# Altium PCB logic_board.PcbDoc (continued)
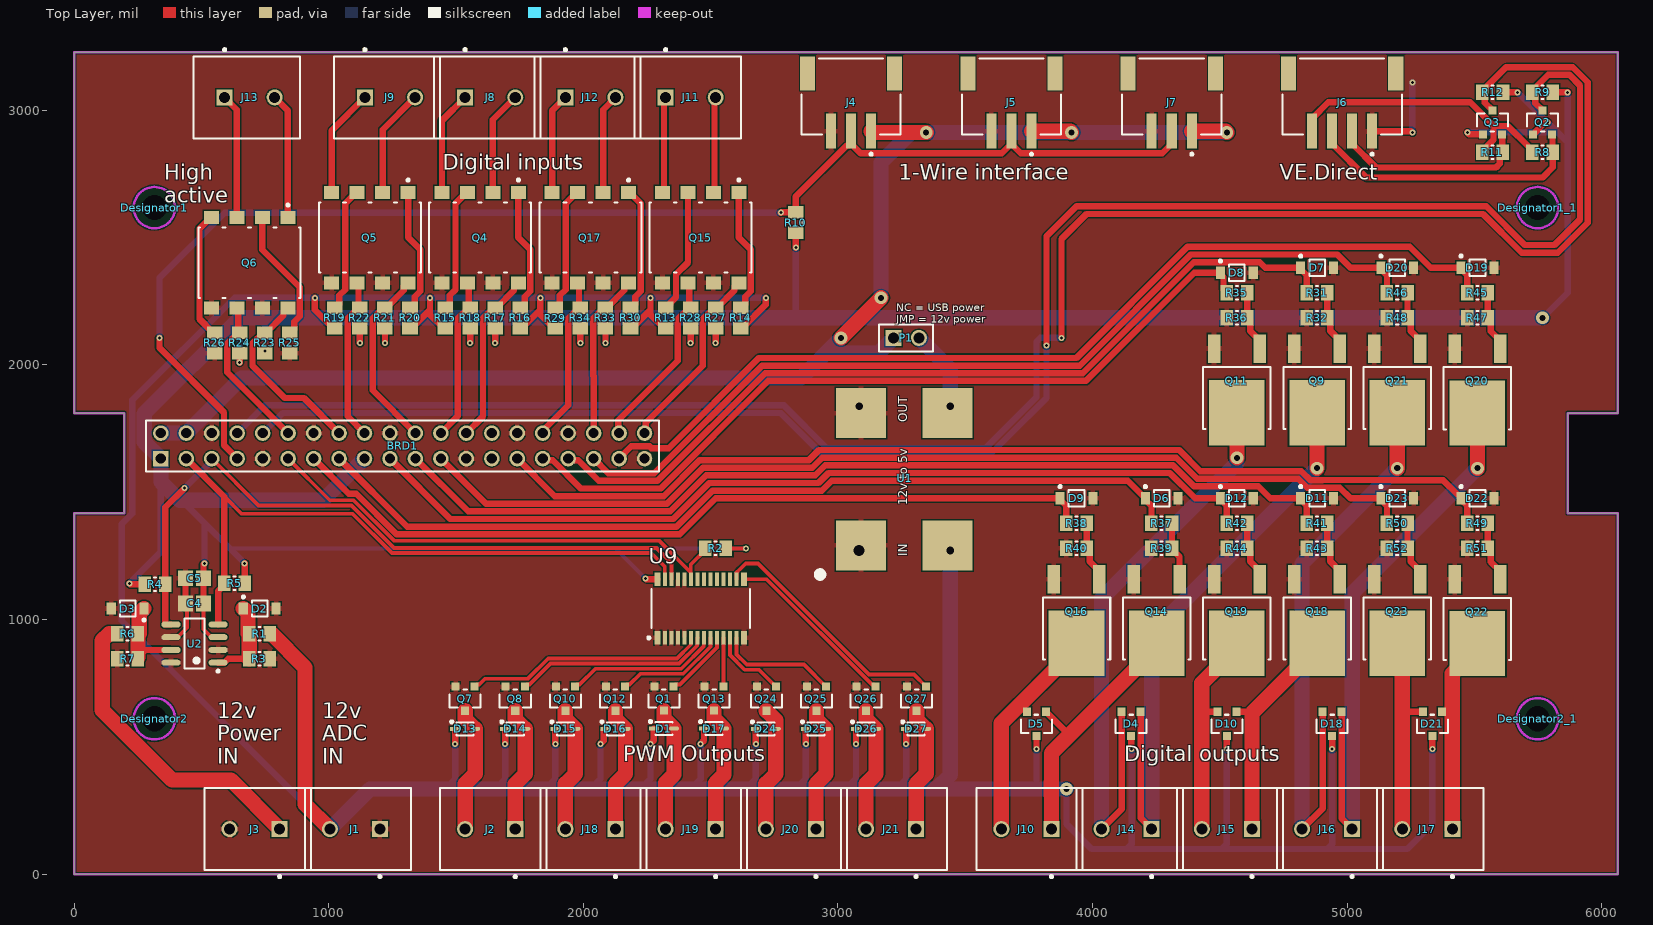
[diagram p0: Top Layer view]
## Part data (continued)
Q9 Q11 Q14 Q16 Q18 Q19 Q20 Q21 Q22 Q23: library part CMP-07173-000037-1, "MOSFET N-CH 150V 8A DPAK", Continuous Drain Current=8A, Drain To Source Breakdown Voltage=150V, Drain To Source Resistance=18.4mΩ, Gate To Source Voltage=20V, Input Capacitace At Vds="1585pF @ 75V", Manufacturer="ON Semiconductor", Max Forward Diode Voltage=1.3V, Max Junction Temp=+150°C, Package=369AS, Power Dissipation=3.1W, Pulse Drain Current=164A, Temperature="-55°C to +150°C", Temperature Range Low=-55°C, Typ Forward Diode Voltage=0.78V, Automotive=No, Category=Trans, ComponentLink2Description=Datasheet, ComponentLink2URL=https://www.onsemi.com/pub/Collateral/FDD86250-D.pdf, Depletion Mode=False, Device Class L1="Discrete Semiconductors", Device Class L2=Transistors, Device Class L3=MOSFETs, Digikey Description="MOSFET N-CH 150V 8A DPAK", Drain To Source Voltage=150V, Footprint Url=https://www.onsemi.com/pub/Collateral/369AS.PDF, Gate Charge At Vgs="23nC @ 10V", Height=2.517mm, Lead Free=Yes, Manufacturer Part Number=FDD86250, Mouser Description="Shielded Gate PowerTrench® MOSFET, N-Channel, 150 V, 51 A, 22 mO", Number of Channels=1, Number Of N Channels=1, Octopart=https://octopart.com/fdd86250-on+semiconductor-84325855, Reverse Recovery Charge=104nC, Reverse Recovery Time=71ns, RoHS=TRUE, Rthja Max=40°C/W, Temperature Range High=+150°C, Threshold Vgs Max=4V, Threshold Vgs Min=2V, Transconductance=28S, Turn Off Delay Time=20ns, Turn On Delay Time=11.2ns
R1 R2 R3 R4 R5 R6 R7 R8 R9 R10 R11 R12 R13 R14 R15 R16 R17 R18 R19 R20 R21 R22 R23 R24 R25 R26 R27 R28 R29 R30 R31 R32 R33 R34 R35 R36 R37 R38 R39 R40 R41 R42 R43 R44 R45 R46 R47 R48 R49 R50 R51 R52: library part Res_0805, "Resistor"
U1: library part power_supply_5v, "12V TO 5V buck converter"
U2: library part CMP-0188-01151-1, "16-Bit, Multi-Channel Delta-Sigma Analog-to-Digital Converter with I2C Interface and On-Board Reference, 8-Pin SOIC 150mil, Extended Temperature", Code_IPC=SOIC127P600-8, Code_JEDEC=MS-012, ComponentLink1Description="Manufacturer URL", ComponentLink1URL=http://www.microchip.com/, ComponentLink2Description=Datasheet, ComponentLink2URL=http://ww1.microchip.com/downloads/en/DeviceDoc/22226a.pdf, ComponentLink3Description="Package Specification", ComponentLink3URL=http://www.microchip.com/stellent/groups/techpub_sg/documents/packagingspec/en012702.pdf, DatasheetVersion="revA, Dec-2009", PackageDescription="8-Lead Plastic Small Outline (SN) - Narrow, 3.90mm Body [SOIC]", PackageReference=SOIC-SN8, PackageVersion="revBB, Aug-2009"
U9: library part CMP-1595-00004-2, "16-Channel, 12-Bit PWM Fm+ I2C-Bus LED Controller, 2.3 to 5.5 V, -40 to 85 degC, 28-Pin TSSOP (SOT361-1), RoHS, Tape and Reel", Frequency="25000000 Hz", PartNumber=PCA9685, Supply Current Max="10 mA", Supply Voltage Max="5.5 V", Supply Voltage Min="2.3 V", Temperature Max="85 degC", Temperature Min="-40 degC", Code_JEDEC=MO-153, ComponentLink1Description="Manufacturer URL", ComponentLink1URL=http://www.nxp.com/, ComponentLink2Description=Datasheet, ComponentLink2URL=http://www.nxp.com/documents/data_sheet/PCA9685.pdf, ComponentLink3Description="Package Specification", ComponentLink3URL=http://www.nxp.com/documents/outline_drawing/sot361-1_po.pdf, DatasheetVersion="Rev. 4", Mounting Technology="Surface Mount", PackageDescription="28-Pin Small Outline Package, Body 9.7 x 4.4 mm, Pitch 0.65 mm", PackageVersion=02/2003, Packing="Tape and Reel", RoHS=TRUE

## Via types
v1: diameter 23.62, hole 11.81, Top Layer to Bottom Layer, 47 vias
v2: diameter 50, hole 23.62, Top Layer to Bottom Layer, 11 vias

## Nets (pads, with @x,y where several pads share a name; then routed paths per layer and width w, separated by ;. In a path a pad name is that pad's centre, name@x,y a point inside that pad or via, vN(x,y) a via of type N, cw(c..) or ccw(c..) an arc to the next point about the centre after c; other vN are vias at no path point)
+3V3: BRD1.1 BRD1.17 C4.2 C5.2 Q2.1 Q3.1 R2.2 R4.2 R5.2 R9.1 R10.2 R12.1 R17.1 R18.1 R21.1 R22.1 R23.1 R24.1 R27.1 R28.1 R33.1 R34.1 U2.3 U9.28 | length 14353.8
  Top Layer w15: C4.2@507.87,1043.31 507.87,962.01 539.37,930.51 U2.3 ; R2.2 v1(2637.8,1279.53)
  Top Layer w25: v1(216.54,1141.73) 220.28,1137.99 R4.2 ; C4.2@507.87,1043.31 507.87,1141.73 507.87,1216.54 v1(511.81,1220.47) ; v1(649.61,2008.91) R24.1 ; v1(669.29,1220.47) 670.28,1219.49 R5.2 ; R23.1 748.03,2054.2 v1(748.52,2054.69) ; v1(1122.05,2086.61) R22.1 ; v1(1220.47,2086.61) R21.1 ; v1(1555.12,2086.61) R18.1 ; v1(1653.54,2086.61) R17.1 ; v1(1988.19,2086.61) R34.1 ; v1(2086.61,2086.61) R33.1 ; v1(2244.09,1161.42) 2247.05,1158.46 U9.28 ; v1(2421.26,2086.61) R28.1 ; v1(2519.69,2086.61) R27.1 ; v1(2834.65,2460.63) R10.2 ; v1(5472.44,2913.39) 5480.31,2905.51 Q3.1 ; R12.1 v1(5669.29,3070.87) ; Q2.1 5777.56,2952.76 v1(5787.4,2952.76) ; R9.1 v1(5866.14,3070.87)
  Bottom Layer w15: 610.24,1279.53 2125.98,1279.53 ; v1(2244.09,1161.42) 2125.98,1279.53 ; v1(2637.8,1279.53) 2125.98,1279.53
  Bottom Layer w25: v1(216.54,1141.73) 340.16,1265.35 340.16,1549.61 340.67,1549.09 ; 421.52,1468.25 511.81,1377.95 ; v1(511.81,1220.47) 511.81,1377.95 ; v1(649.61,2008.91) 650.41,2009.72 650.41,2184.23 ; v1(669.29,1220.47) 610.24,1279.53 511.81,1377.95 ; 748.03,2185.04 748.52,2184.55 v1(748.52,2054.69) ; v1(1122.05,2086.61) 1122.05,2185.04 ; v1(1220.47,2086.61) 1220.47,2185.04 ; v1(1555.12,2086.61) 1555.12,2185.04 ; v1(1653.54,2086.61) 1653.54,2185.04 ; v1(1988.19,2086.61) 1988.19,2185.04 ; v1(2086.61,2086.61) 2086.61,2185.04 ; v1(2421.26,2086.61) 2421.26,2185.04 ; v1(2519.69,2086.61) 2519.69,2185.04 ; 2834.65,2185.04 v1(2834.65,2460.63) ; v1(5472.44,2913.39) 5826.77,2913.39 ; v1(5669.29,3070.87) 5826.77,2913.39 ; v2(5767.72,2185.04) 5866.14,2283.46 5866.14,2874.02 ; v1(5866.14,3070.87) 5866.14,2874.02 ; 5826.77,2913.39 5866.14,2874.02
  Bottom Layer w60: BRD1.17 976.12,1468.25 421.52,1468.25 413.4,1468.25 340.67,1540.97 340.67,1549.09 340.67,1631.77 BRD1.1 274.65,1697.8 274.65,1808.46 651.22,2185.04 748.03,2185.04 1122.05,2185.04 1220.47,2185.04 1555.12,2185.04 1653.54,2185.04 1988.19,2185.04 2086.61,2185.04 2421.26,2185.04 2519.69,2185.04 2834.65,2185.04 v2(5767.72,2185.04)
+5V: BRD1.2 BRD1.4 J4.1 J5.1 J7.1 P1.1 | length 5795.3
  Top Layer w60: v2(3011.81,2106.3) v2(3169.29,2263.78) ; J4.1 3134.84,2913.39 v2(3346.46,2913.39) ; J5.1 3912.4,2918.31 v2(3917.32,2913.39) ; J7.1 4522.64,2918.31 v2(4527.56,2913.39)
  Bottom Layer w60: BRD1.2 BRD1.4 656.69,1948.82 2854.33,1948.82 2952.76,2047.24 ; v2(3011.81,2106.3) 2952.76,2047.24 ; v2(3169.29,2263.78) 3169.29,2795.28 3287.4,2913.39 v2(3346.46,2913.39) v2(3917.32,2913.39) v2(4527.56,2913.39) ; P1.1 3158.66,2047.24 2952.76,2047.24
+12V: D1.1 D4.3 D5.3 D10.3 D13.1 D14.1 D15.1 D16.1 D17.1 D18.3 D21.3 D24.1 D25.1 D26.1 D27.1 J1.2 R1.1 R13.1 R14.1 R15.1 R16.1 R19.1 R20.1 R29.1 R30.1 U1.4 | length 16688.3
  Top Layer w25: v1(944.88,2263.78) 944.88,2217.52 1017.72,2144.69 R19.1 ; R20.1 1324.8,2144.69 1397.64,2217.52 ; v1(1397.64,2263.78) 1397.64,2217.52 ; R15.1 1450.79,2144.69 1397.64,2197.83 1397.64,2217.52 ; v1(1496.06,511.81) D13.1 ; v1(1692.91,511.81) D14.1 ; R16.1 1757.87,2144.69 1830.71,2217.52 ; v1(1830.71,2263.78) 1830.71,2217.52 ; v1(1889.76,511.81) D15.1 ; R29.1 1883.86,2143.7 1830.71,2196.85 1830.71,2217.52 ; v1(2066.93,511.81) 2079.31,524.19 2079.31,566.09 2084.08,570.87 D16.1 ; R30.1 2190.94,2144.69 2263.78,2217.52 ; v1(2263.78,511.81) 2276.87,524.9 D1.1 ; v1(2263.78,2263.78) 2263.78,2217.52 ; R13.1 2316.93,2144.69 2263.78,2197.83 2263.78,2217.52 ; v1(2460.63,511.81) 2473.72,524.9 D17.1 ; R14.1 2624.02,2144.69 2716.54,2237.2 v1(2716.54,2263.78) ; v1(2677.17,511.81) D24.1 ; v1(2874.02,511.81) D25.1 ; v1(3070.87,511.81) D26.1 ; v1(3267.72,511.81) D27.1 ; v1(3779.53,492.13) D5.3 ; D4.3 4151.57,494.09 v1(4153.54,492.13) ; v1(4527.56,492.13) D10.3 ; v1(4940.94,492.13) D18.3 ; v1(5334.65,492.13) D21.3
  Top Layer w60: R1.1 769.21,944.37 774.42,944.37 906.77,812.02 906.77,274.33 J1.2
  Bottom Layer w25: J1.2 186.54,994.57 186.54,1375.19 227.15,1415.8 227.15,1861 629.92,2263.78 v1(944.88,2263.78) v1(1397.64,2263.78) v1(1830.71,2263.78) v1(2263.78,2263.78) v1(2716.54,2263.78) ; 1456.69,334.65 1496.06,374.02 v1(1496.06,511.81) ; 1653.54,334.65 1692.91,374.02 v1(1692.91,511.81) ; 1850.39,334.65 1889.76,374.02 v1(1889.76,511.81) ; 2027.56,334.65 2066.93,374.02 v1(2066.93,511.81) ; 2224.41,334.65 2263.78,374.02 v1(2263.78,511.81) ; 2421.26,334.65 2460.63,374.02 v1(2460.63,511.81) ; 2637.8,334.65 2677.17,374.02 v1(2677.17,511.81) ; 2834.65,334.65 2874.02,374.02 v1(2874.02,511.81) ; 3031.5,334.65 3070.87,374.02 v1(3070.87,511.81) ; 3228.35,334.65 3267.72,374.02 v1(3267.72,511.81) ; 3779.53,334.65 v1(3779.53,492.13) ; v2(3897.64,334.65) 3897.64,196.85 3996.06,98.43 4133.86,98.43 ; v1(4153.54,492.13) 4153.54,118.11 4133.86,98.43 ; v1(4527.56,492.13) 4527.56,118.11 4507.87,98.43 ; v1(4940.94,492.13) 4940.94,118.11 4921.26,98.43 ; v1(5334.65,492.13) 5334.65,196.85 5236.22,98.43 4921.26,98.43 ; 4133.86,98.43 4507.87,98.43 ; 4507.87,98.43 4921.26,98.43
  Bottom Layer w60: J1.2 1161.42,334.65 1456.69,334.65 1653.54,334.65 1850.39,334.65 2027.56,334.65 2224.41,334.65 2421.26,334.65 2637.8,334.65 2834.65,334.65 3031.5,334.65 3228.35,334.65 3385.83,334.65 ; U1.4@3441.42,1271.34 3441.42,390.24 3385.83,334.65 ; v2(3897.64,334.65) 3779.53,334.65 3385.83,334.65
GND: BRD1.6 BRD1.9 BRD1.14 BRD1.20 BRD1.25 BRD1.30 BRD1.34 BRD1.39 C4.1 C5.1 D2.2 D3.2 D6.2 D7.2 D8.2 D9.2 D11.2 D12.2 D19.2 D20.2 D22.2 D23.2 J1.1 J3.2 J4.3 J5.3 J6.1 J7.3 Q1.2 Q4.5 Q4.7 Q5.5 Q5.7 Q6.5 Q6.7 Q7.2 Q8.2 Q9.3 Q10.2 Q11.3 Q12.2 Q13.2 Q14.3 Q15.5 Q15.7 Q16.3 Q17.5 Q17.7 Q18.3 Q19.3 Q20.3 Q21.3 Q22.3 Q23.3 Q24.2 Q25.2 Q26.2 Q27.2 R3.1 R7.1 R25.2 R26.2 R32.1 R36.1 R39.1 R40.1 R43.1 R44.1 R47.1 R48.1 R51.1 R52.1 U1.1 U1.2 U2.2 U2.6 U2.8 U9.1 U9.2 U9.3 U9.4 U9.5 U9.14 U9.24 U9.25 | length 611.1
  Top Layer w15: U2.6 405.51,930.51 442.91,967.91 442.91,1037.4 C4.1@437.01,1043.31
  Top Layer w25: C4.1@437.01,1043.31 C5.1@437.01,1141.73 ; J6.1 5250.98,2918.31 v1(5255.91,2913.39)
  Bottom Layer w25: v1(5255.91,2913.39) v1(5255.91,3110.24)
NetBRD1_3: BRD1.3 R5.1 U2.4 U9.27 | length 2617.3
  Top Layer w15: 589.57,1482.87 656.93,1415.51 1093.29,1415.51 1248.05,1260.75 2266.67,1260.75 2319.88,1207.54 U9.27
  Top Layer w25: BRD1.3 589.57,1482.87 R5.1 589.57,1135.83 564.96,1111.22 U2.4
NetBRD1_5: BRD1.5 R4.1 U2.5 U9.26 | length 2787.8
  Top Layer w15: BRD1.5 723.93,1448.51 1088.57,1448.51 1256.34,1280.75 2286.79,1280.75 2345.47,1222.07 U9.26
  Top Layer w25: U2.5 358.55,980.51 357.86,981.2 R4.1 357.86,1440.54 v1(433.07,1515.75)
  Bottom Layer w25: v1(433.07,1515.75) 540.16,1622.83 BRD1.5
NetBRD1_7: BRD1.7 J4.2 J5.2 J7.2 R10.1 | length 5276.9
  Top Layer w25: v1(334.65,2106.3) 334.65,2066.93 588.17,1813.41 588.17,1684.27 BRD1.7 ; v1(2775.59,2598.43) 2776.57,2599.41 R10.1 2834.65,2661.52 3035.04,2861.91 3044,2861.91 J4.2@3051.18,2869.09 ; J4.2 J4.2@3051.18,2869.09 ; J5.2 J5.2@3681.1,2869.09 ; J7.2 4311.02,2869.09 4273.84,2831.91 3718.29,2831.91 J5.2@3681.1,2869.09 ; J4.2@3051.18,2869.09 3088.37,2831.91 3643.92,2831.91 J5.2@3681.1,2869.09
  Bottom Layer w25: v1(334.65,2106.3) 334.65,2342.52 590.55,2598.43 v1(2775.59,2598.43)
NetBRD1_8: BRD1.8 Q3.3 R12.2 | length 7388.3
  Top Layer w25: v1(3877.95,2106.3) 3877.95,2494.73 3976.38,2593.15 5533.71,2593.15 5685.92,2440.94 5826.77,2440.94 5944.88,2559.06 5944.88,3110.24 5885.83,3169.29 5624.02,3169.29 5531.5,3076.77 R12.2 5541.16,3061.2 5541.16,3029.7 Q3.3
  Bottom Layer w25: BRD1.8 748.9,1841.02 2788.02,1841.02 2955.81,1673.23 3579.62,1673.23 3779.53,1873.14 3779.53,2091.65 3794.17,2106.3 v1(3877.95,2106.3)
NetBRD1_10: BRD1.10 Q2.3 R9.2 | length 7009.8
  Top Layer w25: v1(3818.9,2076.3) 3818.9,2505.04 3937.01,2623.15 5546.14,2623.15 5698.35,2470.94 5814.35,2470.94 5914.88,2571.48 5914.88,3097.81 5873.4,3139.29 5789.88,3139.29 5727.36,3076.77 R9.2 5739.47,3058.76 5739.47,3028.25 Q2.3
  Bottom Layer w25: BRD1.10 740.32,1732.28 819.06,1811.02 2775.59,1811.02 2864.65,1721.97 2943.39,1643.23 3592.05,1643.23 3670.79,1721.97 3818.9,1870.08 v1(3818.9,2076.3)
NetBRD1_11: BRD1.11 R2.1 U9.23 | length 1884.8
  Top Layer w15: BRD1.11 1003.93,1468.51 1096.86,1468.51 1255.57,1309.8 2297.44,1309.8 2421.87,1185.37 2421.87,1216.16 2479.33,1273.62 R2.1
NetBRD1_12: BRD1.12 Q6.6 R24.2 | length 611.2
  Top Layer w25: Q6.6 644.29,2219.09 R24.2@644.29,2132.28 ; R24.2 643.7,2126.97 601.59,2084.86 601.59,1970.85 BRD1.12
NetBRD1_13: BRD1.13 D9.1 R38.1 | length 3219.5
  Top Layer w25: BRD1.13 1078.93,1493.51 1107.21,1493.51 1265.92,1334.8 2378.11,1334.8 2519.69,1476.38 3867.22,1476.38 3872.64,1470.96 3872.64,1470.28 3896.65,1446.26 R38.1
NetBRD1_15: BRD1.15 D6.1 R37.1 | length 3493.6
  Top Layer w25: BRD1.15 1307.64,1364.8 2365.68,1364.8 2507.26,1506.38 2935.93,1506.38 2975.3,1545.75 4137.91,1545.75 4195.77,1487.89 4201.87,1487.89 4207.28,1482.48 D6.1 4207.28,1470.28 4231.3,1446.26 R37.1
NetBRD1_16: BRD1.16 Q6.8 R23.2 | length 744.1
  Top Layer w25: Q6.8 835.04,2224.41 821.95,2211.32 821.95,2194.98 753.94,2126.97 R23.2 742.13,2126.97 700.02,2084.86 700.02,1996.83 826.77,1870.08 902.36,1870.08 BRD1.16
NetBRD1_18: BRD1.18 Q5.6 R22.2 | length 638.2
  Top Layer w25: Q5.6 1116.73,2317.52 R22.2@1116.73,2230.71 ; R22.2 1116.14,2225.39 1074.04,2183.29 1074.04,1798.41 BRD1.18
NetBRD1_19: BRD1.19 D12.1 R42.1 | length 3585.3
  Top Layer w25: BRD1.19 1477.64,1394.8 2353.26,1394.8 2494.83,1536.38 2923.5,1536.38 2962.87,1575.75 4303.33,1575.75 4402.7,1476.38 D12.1 4502.56,1470.28 4526.57,1446.26 R42.1
NetBRD1_21: BRD1.21 D11.1 R41.1 | length 3800.2
  Top Layer w25: BRD1.21 1547.64,1424.8 2340.83,1424.8 2482.41,1566.38 2911.07,1566.38 2950.44,1605.75 4315.76,1605.75 4398.42,1523.09 4651.26,1523.09 4697.98,1476.38 D11.1 4817.52,1470.28 4841.54,1446.26 R41.1
NetBRD1_22: BRD1.22 Q5.8 R21.2 | length 726.8
  Top Layer w25: Q5.8 1307.48,2322.83 1294.39,2309.74 1294.39,2293.41 1226.38,2225.39 R21.2 1214.57,2225.39 1172.46,2183.29 1172.46,1899.98 BRD1.22
NetBRD1_23: BRD1.23 D23.1 R50.1 | length 4015.9
  Top Layer w25: BRD1.23 1617.64,1454.8 2328.4,1454.8 2469.98,1596.38 2898.65,1596.38 2938.02,1635.75 4328.18,1635.75 4410.84,1553.09 4807.49,1553.09 4843.59,1516.99 4913.99,1516.99 4914.9,1517.89 4971.42,1517.89 5012.94,1476.38 D23.1 5132.48,1470.28 5156.5,1446.26 R50.1
NetBRD1_24: BRD1.24 Q4.6 R18.2 | length 638.5
  Top Layer w25: BRD1.24 1507.11,1799.23 1507.11,2183.29 1549.21,2225.39 R18.2 ; Q4.6 1549.8,2317.52 R18.2@1549.8,2230.71
NetBRD1_26: BRD1.26 Q4.8 R17.2 | length 684.4
  Top Layer w25: BRD1.26 1605.53,1797.66 1605.53,2183.29 1647.64,2225.39 R17.2 1659.45,2225.39 1727.46,2293.41 1727.46,2309.74 1740.55,2322.83 Q4.8
NetBRD1_29: BRD1.29 D22.1 R49.1 | length 4034.5
  Top Layer w25: BRD1.29 1887.64,1484.8 2315.98,1484.8 2457.55,1626.38 2886.22,1626.38 2925.59,1665.75 4340.61,1665.75 4423.27,1583.09 4819.91,1583.09 4856.01,1546.99 4901.56,1546.99 4902.47,1547.89 5176.27,1547.89 5177.18,1546.99 5376.83,1546.99 5435.93,1487.89 5442.03,1487.89 5447.44,1482.48 D22.1 5447.44,1470.28 5471.46,1446.26 R49.1
NetBRD1_31: BRD1.31 D8.1 R35.1 | length 3150.8
  Top Layer w25: BRD1.31 1847.05,1625.39 1879.15,1625.39 1989.74,1514.8 2303.55,1514.8 2726.31,1937.56 3974.29,1937.56 4398.93,2362.2 D8.1 4502.56,2356.1 4514.47,2344.19 4514.47,2295.57 R35.1
NetBRD1_32: BRD1.32 Q17.6 R34.2 | length 652.2
  Top Layer w25: BRD1.32 1840.16,1741.73 1940.18,1841.75 1940.18,2183.29 1982.28,2225.39 R34.2 ; Q17.6 1982.87,2317.52 R34.2@1982.87,2230.71
NetBRD1_33: BRD1.33 D7.1 R31.1 | length 3386.8
  Top Layer w25: BRD1.33 1947.05,1625.39 1979.15,1625.39 2059.74,1544.8 2291.13,1544.8 2713.88,1967.56 3961.86,1967.56 4398.02,2403.72 4656.46,2403.72 4678.29,2381.89 D7.1 4817.52,2375.79 4841.54,2351.77 R31.1
NetBRD1_35: BRD1.35 D20.1 R46.1 | length 3601.7
  Top Layer w25: BRD1.35 2040.32,1632.28 2097.8,1574.8 2278.7,1574.8 2701.45,1997.56 3949.43,1997.56 4385.6,2433.72 4961.11,2433.72 5012.94,2381.89 D20.1 5132.48,2375.79 5156.5,2351.77 R46.1
NetBRD1_36: BRD1.36 Q17.8 R33.2 | length 658
  Top Layer w25: BRD1.36 2040.16,1955.91 2038.6,1957.46 2038.6,2183.29 2080.71,2225.39 R33.2 2092.52,2225.39 2160.53,2293.41 2160.53,2309.74 2173.62,2322.83 Q17.8
NetBRD1_37: BRD1.37 D19.1 R45.1 | length 3799.8
  Top Layer w25: BRD1.37 2188.17,1680.3 2260.04,1680.3 2267.11,1673.23 2334.7,1673.23 2689.03,2027.56 3937.01,2027.56 4373.17,2463.72 5246.07,2463.72 5327.9,2381.89 D19.1 5447.44,2375.79 5471.46,2351.77 R45.1
NetBRD1_38: BRD1.38 Q15.6 R28.2 | length 710.4
  Top Layer w25: BRD1.38 2136.48,1735.96 2136.48,1782.15 2370.85,2016.52 2370.85,2180.89 2415.35,2225.39 R28.2 ; Q15.6 2415.94,2317.52 R28.2@2415.94,2230.71
NetBRD1_40: BRD1.40 Q15.8 R27.2 | length 753.2
  Top Layer w25: BRD1.40 2245.53,1737.66 2245.53,1773.09 2469.27,1996.83 2469.27,2180.89 2513.78,2225.39 R27.2 2525.59,2225.39 2593.6,2293.41 2593.6,2309.74 2606.69,2322.83 Q15.8
NetD1_2: D1.2 J19.2 Q1.3 | length 495.3
  Top Layer w60: Q1.3 2316.25,611.04 D1.2 2355.63,391.22 2322.83,358.42 J19.2
NetD2_1: D2.1 R1.2 R3.2 U2.1 | length 338.5
  Top Layer w25: U2.1 589.17,830.51 605.12,846.46 R3.2
  Top Layer w60: D2.1 682.6,1024.69 682.6,945.39 683.11,944.88 R1.2@687.52,944.88 ; R3.2 687.01,944.37 R1.2@687.52,944.88 ; R1.2 R1.2@687.52,944.88
NetD3_1: D3.1 R6.2 R7.2 U2.7 | length 351.1
  Top Layer w25: R7.2 250.12,852.36 278.27,880.51 U2.7
  Top Layer w60: R7.2@250.12,852.36 R6.2 255,944.88 255.51,945.39 255.51,1024.69 D3.1
NetD4_1: D4.1 J14.1 Q9.4 | length 2383
  Top Layer w25: D4.1 4188.98,220.47 J14.1
  Top Layer w60: v2(4881.89,1594.49) Q9.4
  Bottom Layer w60: J14.1 4232.28,944.88 v2(4881.89,1594.49)
NetD4_2: D4.2 J14.2 Q11.4 | length 2348.7
  Top Layer w25: J14.2 4114.17,255.91 D4.2
  Top Layer w60: v2(4566.93,1635.08) Q11.4
  Bottom Layer w60: J14.2 4035.43,1082.68 4566.93,1614.17 v2(4566.93,1635.08)
NetD5_1: D5.1 J10.1 Q14.4 | length 1036.4
  Top Layer w25: D5.1 3902.31,552.41 3916.09,552.41
  Top Layer w60: J10.1 3838.58,308.85 3837.64,309.79 3837.64,359.5 3838.58,360.44 3838.58,474.9 3916.09,552.41 4251.97,888.29 Q14.4
NetD5_2: D5.2 J10.2 Q16.4 | length 887.4
  Top Layer w25: 3719.24,670.52 3719.24,660.68 D5.2
  Top Layer w60: J10.2 3641.73,593.01 3714.32,665.6 ; 3719.24,670.52 3937.01,888.29 Q16.4
NetD10_1: D10.1 J15.1 Q18.4 | length 899.1
  Top Layer w25: D10.1 4620.57,637.8 4625.98,632.38
  Top Layer w60: J15.1 4625.98,632.38 4881.89,888.29 Q18.4
NetD10_2: D10.2 J15.2 Q19.4 | length 852.8
  Top Layer w25: 4429.13,649.61 4440.94,637.8 D10.2
  Top Layer w60: J15.2 4429.13,649.61 4429.13,750.49 4566.93,888.29 Q19.4
NetD13_2: D13.2 J2.2 Q7.3 | length 497.2
  Top Layer w60: J2.2 1535.43,354.73 1574.81,394.11 D13.2 1535.43,610.25 Q7.3
NetD14_2: D14.2 J2.1 Q8.3 | length 497.2
  Top Layer w60: J2.1 1732.28,354.33 1771.66,393.71 D14.2 1732.28,610.25 Q8.3
NetD15_2: D15.2 J18.2 Q10.3 | length 497.2
  Top Layer w60: J18.2 1929.13,354.73 1968.52,394.11 D15.2 1929.13,610.25 Q10.3
NetD16_2: D16.2 J18.1 Q12.3 | length 497.2
  Top Layer w60: J18.1 2125.98,354.33 2165.37,393.71 D16.2 2125.98,610.25 Q12.3
NetD17_2: D17.2 J19.1 Q13.3 | length 495.3
  Top Layer w60: Q13.3 2513.1,611.04 D17.2 2552.48,390.81 2519.69,358.02 J19.1
NetD18_1: D18.1 J16.1 Q20.4 | length 2315.5
  Top Layer w25: D18.1 4978.35,218.5 J16.1
  Top Layer w60: v2(5511.81,1594.49) Q20.4
  Bottom Layer w60: J16.1 5019.69,1102.36 v2(5511.81,1594.49)
NetD18_2: D18.2 J16.2 Q21.4 | length 2284.3
  Top Layer w25: J16.2 4903.54,257.87 D18.2
  Top Layer w60: v2(5196.85,1594.49) Q21.4
  Bottom Layer w60: J16.2 4822.83,1220.47 v2(5196.85,1594.49)
NetD21_1: D21.1 J17.1 Q22.4 | length 805.8
  Top Layer w25: D21.1 5375.3,634.55 5408.76,634.55 5413.39,629.92
  Top Layer w60: J17.1 5413.39,629.92 ; 5413.39,637.8 5413.39,788.39 5511.81,886.81 Q22.4
NetD21_2: D21.2 J17.2 Q23.4 | length 823.6
  Top Layer w25: 5216.54,649.61 5228.35,637.8 D21.2
  Top Layer w60: Q23.4 5216.54,887.3 5216.54,649.61 J17.2
NetD24_2: D24.2 J20.2 Q24.3 | length 496.4
  Top Layer w60: J20.2 2716.54,354.73 2755.92,394.11 D24.2 2755.92,604.32 Q24.3
NetD25_2: D25.2 J20.1 Q25.3 | length 496.4
  Top Layer w60: J20.1 2913.39,354.32 2952.77,393.71 D25.2 2915.35,608.28 Q25.3
NetD26_2: D26.2 J21.2 Q26.3 | length 497.2
  Top Layer w60: J21.2 3110.24,354.73 3149.62,394.11 D26.2 3110.24,610.25 Q26.3
NetD27_2: D27.2 J21.1 Q27.3 | length 496.4
  Top Layer w60: J21.1 3307.09,354.33 3346.46,393.7 D27.2 3309.06,608.27 Q27.3
NetJ3_1: J3.1 R6.1 | length 1203.1
  Top Layer w60: 137.8,944.88 109.8,916.89 109.8,644.04 384.49,369.36 614.9,369.36 J3.1
NetJ6_2: J6.2 Q3.2 R11.2 | length 795
  Top Layer w25: J6.2 5019.69,2869.09 5113.19,2775.59 5584.47,2775.59 5599.11,2790.24 5599.11,2822.54 R11.2 5609.74,2836.12 5609.74,2904.04 Q3.2
NetJ6_3: J6.3 Q2.2 R8.2 | length 1118.3
  Top Layer w25: J6.3 4940.94,2869.09 5073.82,2736.22 5767.72,2736.22 5808.07,2776.57 R8.2 5806.59,2836.12 5806.59,2904.04 Q2.2
NetJ6_4: J6.4 R8.1 R11.1 | length 1150
  Top Layer w25: J6.4 4862.2,2967.52 4926.18,3031.5 5483.12,3031.5 5575.86,2938.76 ; R11.1 5530.51,2840.55 5575.02,2885.06 5575.02,2937.92 5575.86,2938.76 ; R8.1 5715.26,2846.75 5715.26,2854.77 5631.26,2938.76 5575.86,2938.76
NetJ8_1: J8.1 Q4.4 | length 411.7
  Top Layer w25: Q4.4 1444.49,2960.24 J8.1
NetJ8_2: J8.2 Q4.2 | length 410.4
  Top Layer w25: Q4.2 1644.49,2963.39 J8.2
NetJ9_1: J9.1 Q5.4 | length 428
  Top Layer w25: Q5.4 1011.42,2920.87 J9.1
NetJ9_2: J9.2 Q5.2 | length 426.7
  Top Layer w25: Q5.2 1211.42,2924.02 J9.2
NetJ11_1: J11.1 Q15.4 | length 379.1
  Top Layer w25: Q15.4 2316.73,2683.27 2316.73,3045.08 J11.1
NetJ11_2: J11.2 Q15.2 | length 377.8
  Top Layer w25: Q15.2 2515.16,2681.69 2515.16,3046.65 J11.2
NetJ12_1: J12.1 Q17.4 | length 395.4
  Top Layer w25: Q17.4 1877.56,2999.61 J12.1
NetJ12_2: J12.2 Q17.2 | length 394.1
  Top Layer w25: Q17.2 2077.56,3002.03 2125.98,3050.46 J12.2
NetJ13_1: J13.1 Q6.3 | length 492.5
  Top Layer w25: J13.1 638.98,3002.76 Q6.3
NetJ13_2: J13.2 Q6.1 | length 493.8
  Top Layer w25: J13.2 838.98,2999.61 Q6.1
NetP1_2: P1.2 U1.3 | length 319.3
  Bottom Layer w60: P1.2 3441.42,1982.6 U1.3@3441.42,1838.27
NetQ1_1: Q1.1 U9.10 | length 272
  Top Layer w15: Q1.1 2361.69,745.06 2378.92,745.06 2524.61,890.75 U9.10
NetQ4_1: Q4.1 R16.2 | length 491.1
  Top Layer w25: Q4.1 1744.49,2500.55 1791.52,2453.52 1791.52,2290 1769.98,2268.46 1769.98,2237.5 1757.87,2225.39 R16.2
NetQ4_3: Q4.3 R15.2 | length 493.9
  Top Layer w25: R15.2 1462.6,2225.39 1474.7,2237.5 1474.7,2273.18 1497.46,2295.94 1497.46,2634.07 1540.55,2677.17 Q4.3
NetQ5_1: Q5.1 R20.2 | length 491.1
  Top Layer w25: Q5.1 1311.42,2500.55 1358.44,2453.52 1358.44,2290 1336.91,2268.46 1336.91,2237.5 1324.8,2225.39 R20.2
NetQ5_3: Q5.3 R19.2 | length 493.9
  Top Layer w25: R19.2 1029.53,2225.39 1041.63,2237.5 1041.63,2273.18 1064.39,2295.94 1064.39,2634.07 1107.48,2677.17 Q5.3
NetQ6_2: Q6.2 R25.1 | length 532.5
  Top Layer w25: Q6.2 738.98,2452.12 886,2305.1 886,2191.57 864.47,2170.03 864.47,2139.07 852.36,2126.97 R25.1
NetQ6_4: Q6.4 R26.1 | length 501.6
  Top Layer w25: Q6.4 535.04,2578.74 491.95,2535.65 491.95,2180.3 545.28,2126.97 R26.1
NetQ7_1: Q7.1 U9.6 | length 944.5
  Top Layer w15: Q7.1 1581.08,744.47 1590.93,744.47 1614.17,767.72 1782.74,767.72 1861.79,846.77 2367.4,846.77 2421.87,901.24 2421.87,927.78 U9.6
NetQ8_1: Q8.1 U9.7 | length 774.8
  Top Layer w15: Q8.1 1777.93,744.47 1787.78,744.47 1870.08,826.77 2375.78,826.77 2447.46,898.45 2447.46,927.78 U9.7
NetQ9_1: Q9.1 R31.2 R32.2 | length 239.5
  Top Layer w25: R31.2 R32.2 4934.35,2172.93 4934.35,2133.27 4971.65,2095.96 Q9.1
NetQ10_1: Q10.1 U9.8 | length 605.1
  Top Layer w15: Q10.1 1974.78,744.47 1984.63,744.47 2046.93,806.77 2384.06,806.77 2473.05,895.76 2473.05,927.78 U9.8
NetQ11_1: Q11.1 R35.2 R36.2 | length 239.5
  Top Layer w25: R35.2 R36.2 4619.39,2172.93 4619.39,2133.27 4656.69,2095.96 Q11.1
NetQ12_1: Q12.1 U9.9 | length 435.5
  Top Layer w15: Q12.1 2171.63,744.47 2181.48,744.47 2223.78,786.77 2392.35,786.77 2498.64,893.07 2498.64,927.78 U9.9
NetQ13_1: Q13.1 U9.11 | length 191.3
  Top Layer w15: U9.11 2550.35,928 2550.35,737.17 Q13.1
NetQ14_1: Q14.1 R37.2 R39.2 | length 233
  Top Layer w25: R37.2 R39.2 4312.01,1273.62 4324.11,1261.52 4327.09,1261.52 4341.73,1246.87 Q14.1
NetQ15_1: Q15.1 R14.2 | length 491.1
  Top Layer w25: Q15.1 2610.63,2500.55 2657.66,2453.52 2657.66,2290 2636.12,2268.46 2636.12,2237.5 2624.02,2225.39 R14.2
NetQ15_3: Q15.3 R13.2 | length 491.6
  Top Layer w25: R13.2 2328.74,2225.39 2340.85,2237.5 2340.85,2243.41 2363.6,2266.16 2363.6,2355.67 2410.63,2402.7 Q15.3
NetQ16_1: Q16.1 R38.2 R40.2 | length 239.5
  Top Layer w25: R38.2 R40.2 3989.47,1267.42 3989.47,1227.76 4026.77,1190.45 Q16.1
NetQ17_1: Q17.1 R30.2 | length 493.4
  Top Layer w25: Q17.1 2181.5,2677.17 2224.59,2634.07 2224.59,2290 2203.05,2268.46 2203.05,2237.5 2190.94,2225.39 R30.2
NetQ17_3: Q17.3 R29.2 | length 494.9
  Top Layer w25: R29.2 1895.67,2224.41 1907.78,2236.52 1907.78,2273.18 1930.53,2295.94 1930.53,2634.07 1973.62,2677.17 Q17.3
NetQ18_1: Q18.1 R41.2 R43.2 | length 239.5
  Top Layer w25: R41.2 R43.2 4934.35,1267.42 4934.35,1227.76 4971.65,1190.45 Q18.1
NetQ19_1: Q19.1 R42.2 R44.2 | length 239.5
  Top Layer w25: R42.2 R44.2 4619.39,1267.42 4619.39,1227.76 4656.69,1190.45 Q19.1
NetQ20_1: Q20.1 R45.2 R47.2 | length 240.9
  Top Layer w25: R45.2 R47.2 5564.27,2172.93 5564.27,2131.79 5601.57,2094.49 Q20.1
NetQ21_1: Q21.1 R46.2 R48.2 | length 239.5
  Top Layer w25: R46.2 R48.2 5249.31,2172.93 5249.31,2133.27 5286.61,2095.96 Q21.1
NetQ22_1: Q22.1 R49.2 R51.2 | length 240.9
  Top Layer w25: R49.2 R51.2 5564.27,1267.42 5564.27,1226.28 5601.57,1188.98 Q22.1
NetQ23_1: Q23.1 R50.2 R52.2 | length 239.5
  Top Layer w25: R50.2 R52.2 5249.31,1267.42 5249.31,1227.76 5286.61,1190.45 Q23.1
NetQ24_1: Q24.1 U9.12 | length 299.2
  Top Layer w15: U9.12 2576.16,927.78 2576.16,860.12 2633.43,802.85 2689.27,802.85 Q24.1
NetQ25_1: Q25.1 U9.13 | length 468.9
  Top Layer w15: U9.13 2601.75,927.78 2601.75,862.82 2641.71,822.85 2866.12,822.85 Q25.1
NetQ26_1: Q26.1 U9.15 | length 691.6
  Top Layer w15: U9.15 2719.49,1158.46 3133.48,744.47 3139.39,744.47 Q26.1
NetQ27_1: Q27.1 U9.16 | length 986.9
  Top Layer w15: U9.16 2601.75,1158.84 2601.75,1185.37 2613.92,1197.54 2614.86,1197.54 2637.8,1220.47 2685.76,1220.47 3121.77,784.47 3298.21,784.47 Q27.1
pads on no net: BRD1.27 BRD1.28 Designator1.15 Designator1_1.15 Designator2.15 Designator2_1.15 J4.MP1 J4.MP2 J5.MP1 J5.MP2 J6.MP1 J6.MP2 J7.MP1 J7.MP2 U9.17 U9.18 U9.19 U9.20 U9.21 U9.22

## Polygon pours and split planes (outlines as drawn)
GND on Top Layer "GND_L01_P000" (solid, remove dead copper, pour order 0): 6062.99,0 6062.99,1417.32 5866.14,1417.32 5866.14,1811.02 6062.99,1811.02 6062.99,3228.35 0,3228.35 0,1811.02 196.85,1811.02 196.85,1417.32 0,1417.32 0,0
GND on Bottom Layer "GND_L02_P003" (solid, remove dead copper, pour order 3): 6062.99,0 6062.99,1417.32 5866.14,1417.32 5866.14,1811.02 6062.99,1811.02 6062.99,3228.35 0,3228.35 0,1811.02 196.85,1811.02 196.85,1417.32 0,1417.32 0,0

## Keep-outs
Keep-Out Layer:
  the board outline again, w10

## Silkscreen, mask and mechanical layers (free items; w line width, h text height)
Top Overlay:
  text "Digital inputs" at 1447.01,2766.21 h60
  text "1-Wire interface" at 3238.35,2726.54 h60
  text "VE.Direct" at 4734.41,2726.54 h60
  text "High / active" at 354.39,2637.8 h60
  text "NC = USB power / JMP = 12v power" at 3228.35,2165.35 h30
  text "PWM Outputs" at 2155.67,443.38 h60
  text "Digital outputs" at 4124.17,443.38 h60
  text "12v / Power / IN" at 561.02,433.07 h60
  text "12v / ADC / IN" at 974.41,433.07 h60
Bottom Overlay:
  text "van control unit v1.0 / Enrico Cirignaco / 09.03.2024" at 5413.39,2460.63 h60
Mechanical 1:
  the board outline again, w10

## Text inside footprints (layer, text, board x,y; h text height)
U1: Top Overlay "OUT" at 3283.29,1775.28 h60 r90; Top Overlay "IN" at 3283.94,1247.72 h60 r90; Top Overlay "12v to 5v" at 3283.29,1448.5 h60 r90